# KiCad board panel_32x32_1515_r0.1.kicad_pcb (continued)
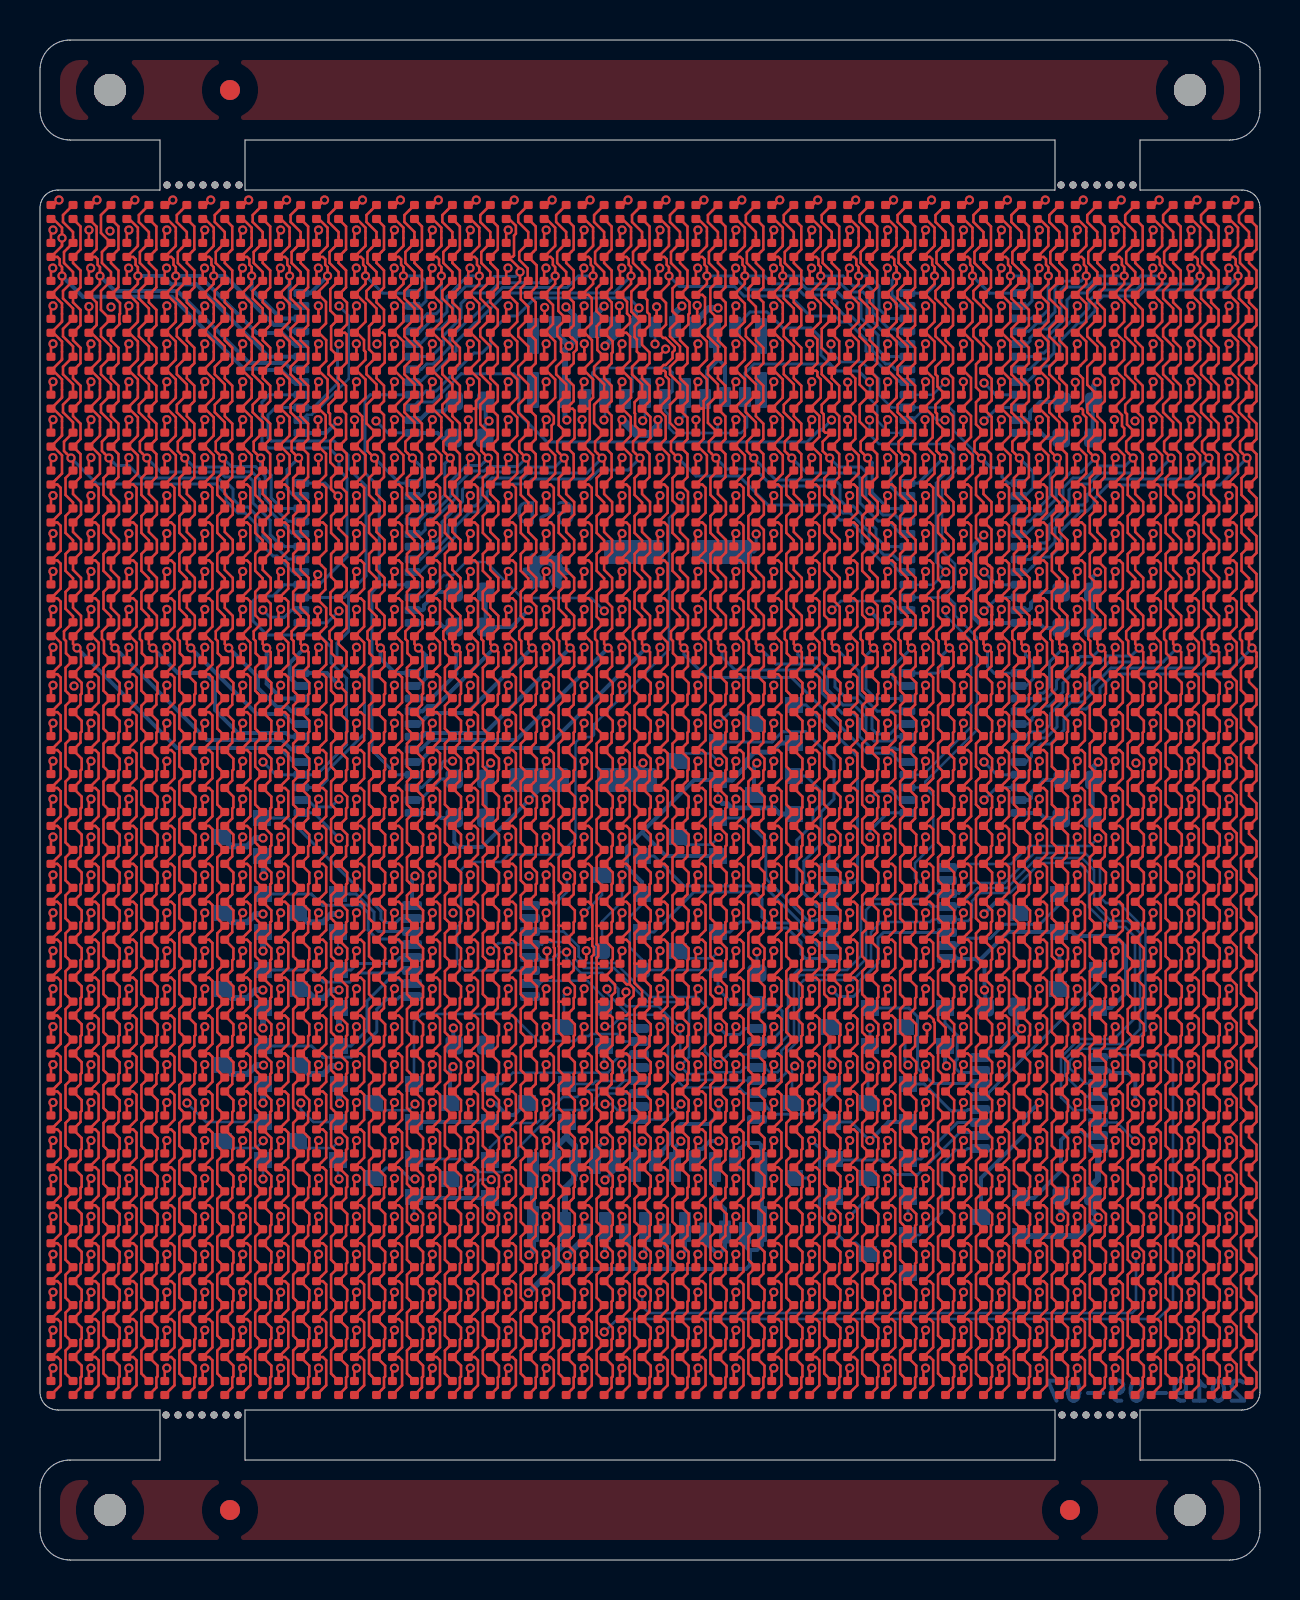
[diagram p0: board, top side]
## Routing (per net, layer and track width the routed paths; a pad name or vN(x,y) marks a point on that pad's centre or on a via; arc(x,y) is an arc through that point) (continued)
COL_GA31: length 83.1
  Top w0.127: D32.3 60.83,66.68 60.83,65.53 D64.3 60.45,64.85 60.83,64.48 60.83,63.63 D96.3 60.45,62.88 60.83,62.51 60.83,61.73 D128.3 60.45,60.99 60.83,60.61 60.83,59.84 D160.3 60.45,59.09 60.83,58.71 60.83,57.94 D192.3 60.45,57.19 60.83,56.82 60.83,56.04 D224.3 60.83,55.3 60.83,54.15 D256.3 60.45,53.47 60.83,53.1 60.83,52.25 D288.3 60.45,51.57 60.83,51.2 60.83,50.35 D320.3 60.45,49.68 60.83,49.3 60.83,48.46 D352.3 60.45,47.78 60.83,47.41 60.83,46.56 D384.3 60.45,45.75 v1(60.6,45.6) 60.83,45.37 60.83,45.18 60.83,45.18 60.83,44.66 D416.3 60.45,43.9 60.83,43.53 60.83,42.77 D448.3 60.45,42 60.83,41.63 60.83,40.87 D480.3 60.45,40.11 60.83,39.73 60.83,38.97 D512.3 60.45,38.21 60.83,37.84 60.83,37.08 D544.3 60.45,36.31 60.83,35.94 60.83,35.18 D576.3 60.45,34.42 60.83,34.04 60.83,33.28 D608.3 60.45,32.52 60.83,32.15 60.83,31.39 D640.3 60.45,30.62 60.83,30.25 60.83,29.49 D672.3 60.45,28.73 60.83,28.35 60.83,27.59 D704.3 60.45,26.83 60.83,26.46 60.83,25.7 D736.3 60.45,24.93 60.83,24.56 60.83,23.8 D768.3 60.45,23.04 60.83,22.66 60.83,21.9 D800.3 60.45,21.14 60.83,20.77 60.83,20.01 D832.3 60.45,19.24 60.83,18.87 60.83,18.11 D864.3 60.45,17.35 60.83,16.97 60.83,16.21 D896.3 60.45,15.45 60.83,15.08 60.83,14.32 D928.3 60.45,13.55 60.83,13.18 60.83,12.42 D960.3 60.45,11.66 60.83,11.28 60.83,10.52 D992.3 60.45,9.76 60.83,9.39 60.83,8.63 D1024.3
  Bottom w0.15: v1(60.6,45.6) 59.3,44.3 53.7,44.3 53,43.6 53,43.25 52.3,42.55 51.7,42.55 51.2,42.05 51.2,41.5 50.5,40.8 50.05,40.8 49.57,40.33 49.57,40.17 49.3,39.9 U6.20
COL_RA0: length 83.6
  Top w0.127: D993.2 1.28,9.32 1.28,10.47 D961.2 1.28,11.22 1.28,12.37 D929.2 1.28,13.12 1.28,14.27 D897.2 1.28,15.01 1.28,16.16 D865.2 1.28,16.91 1.28,18.06 D833.2 1.28,18.81 1.28,19.96 D801.2 1.28,20.7 1.28,21.85 D769.2 1.28,22.6 1.28,23.75 D737.2 1.28,24.5 1.28,25.65 D705.2 1.28,26.39 1.28,27.54 D673.2 1.28,28.29 1.28,29.44 D641.2 1.28,30.19 1.28,31.34 D609.2 1.28,32.08 1.28,33.23 D577.2 1.28,33.98 1.28,35.13 D545.2 1.28,35.88 1.28,37.03 D513.2 1.28,37.77 1.28,38.92 D481.2 1.28,39.67 1.28,40.82 D449.2 1.28,41.57 1.28,42.72 D417.2 1.28,43.46 1.28,44.61 D385.2 1.3,45.34 1.3,45.95 1.2,46.05 1.2,46.43 D353.2 1.65,47.19 1.28,47.56 1.28,48.41 D321.2 1.65,49.08 1.28,49.46 1.28,50.3 D289.2 1.65,50.98 1.28,51.35 1.28,52.2 D257.2 1.65,52.88 1.28,53.25 1.28,54.1 D225.2 1.65,55 v1(1.55,55.1) 1.2,55.45 1.2,55.92 D193.2 1.65,56.89 1.15,57.39 1.15,57.76 D161.2 1.65,58.78 1.15,59.28 1.15,59.66 D129.2 1.65,60.68 1.15,61.18 1.15,61.56 D97.2 1.65,62.58 1.15,63.08 1.15,63.45 D65.2 1.65,64.4 1.2,64.85 1.2,65.4 D33.2 1.65,66.15 1.65,66.16 1.65,66.4 1.15,66.9 1.15,67.25 D1.2
  Bottom w0.15: U7.5 13.07,49.4 12.65,49.4 11.85,50.2 11.65,50.2 10.85,51 10.85,51.75 10.25,52.35 9.9,52.35 9.3,52.95 9.3,53.3 8.8,53.8 2.85,53.8 v1(1.55,55.1)
COL_RA1: length 81.6
  Top w0.127: D994.2 3.17,9.32 3.17,10.47 D962.2 3.17,11.22 3.17,12.37 D930.2 3.17,13.12 3.17,14.27 D898.2 3.17,15.01 3.17,16.16 D866.2 3.17,16.91 3.17,18.06 D834.2 3.17,18.81 3.17,19.96 D802.2 3.17,20.7 3.17,21.85 D770.2 3.17,22.6 3.17,23.75 D738.2 3.17,24.5 3.17,25.65 D706.2 3.17,26.39 3.17,27.54 D674.2 3.17,28.29 3.17,29.44 D642.2 3.17,30.19 3.17,31.34 D610.2 3.17,32.08 3.17,33.23 D578.2 3.17,33.98 3.17,35.13 D546.2 3.17,35.88 3.17,37.03 D514.2 3.17,37.77 3.17,38.92 D482.2 3.17,39.67 3.17,40.82 D450.2 3.17,41.57 3.17,42.72 D418.2 3.17,43.46 3.17,44.61 D386.2 3.2,45.34 3.2,45.95 3.1,46.05 3.1,46.43 D354.2 3.55,47.19 3.17,47.56 3.17,48.41 D322.2 3.55,49.08 3.17,49.46 3.17,50.3 D290.2 3.55,50.98 3.17,51.35 3.17,52.2 D258.2 3.55,52.88 3.17,53.25 3.17,54.1 D226.2 3.55,55 v1(3.45,55.1) 3.1,55.45 3.1,55.92 D194.2 3.55,56.89 3.05,57.39 3.05,57.76 D162.2 3.55,58.78 3.05,59.28 3.05,59.66 D130.2 3.55,60.68 3.05,61.18 3.05,61.56 D98.2 3.49,62.06 3.05,62.5 3.05,63.45 D66.2 3.55,64.4 3.1,64.85 3.1,65.4 D34.2 3.05,66.35 3.05,67.25 D2.2
  Bottom w0.15: U7.6 13.05,50.05 12.4,50.05 11.9,50.55 11.8,50.55 11.15,51.2 11.15,51.9 10.4,52.65 10.05,52.65 9.65,53.05 9.65,53.55 9.35,53.85 9.15,53.85 8.9,54.1 5.05,54.1 4.42,54.73 3.82,54.73 v1(3.45,55.1)
COL_RA2: length 79.8
  Top w0.127: D3.2 4.94,67.25 4.94,66.9 5.44,66.4 5.44,66.16 5.44,66.15 D35.2 4.99,65.4 4.99,64.85 5.44,64.4 D67.2 4.94,63.45 4.94,63.08 5.44,62.58 D99.2 4.94,61.56 4.94,61.18 5.44,60.68 D131.2 4.94,59.66 4.94,59.28 5.44,58.78 D163.2 4.94,57.76 4.94,57.39 5.44,56.89 D195.2 4.99,55.92 4.99,55.45 v1(5.34,55.1) 5.44,55 D227.2 5.07,54.1 5.07,53.25 5.44,52.88 D259.2 5.07,52.2 5.07,51.35 5.44,50.98 D291.2 5.07,50.3 5.07,49.46 5.44,49.08 D323.2 5.07,48.41 5.07,47.56 5.44,47.19 D355.2 4.99,46.43 4.99,46.05 5.09,45.95 5.09,45.34 D387.2 5.07,44.61 5.07,43.46 D419.2 5.07,42.72 5.07,41.57 D451.2 5.07,40.82 5.07,39.67 D483.2 5.07,38.92 5.07,37.77 D515.2 5.07,37.03 5.07,35.88 D547.2 5.07,35.13 5.07,33.98 D579.2 5.07,33.23 5.07,32.08 D611.2 5.07,31.34 5.07,30.19 D643.2 5.07,29.44 5.07,28.29 D675.2 5.07,27.54 5.07,26.39 D707.2 5.07,25.65 5.07,24.5 D739.2 5.07,23.75 5.07,22.6 D771.2 5.07,21.85 5.07,20.7 D803.2 5.07,19.96 5.07,18.81 D835.2 5.07,18.06 5.07,16.91 D867.2 5.07,16.16 5.07,15.01 D899.2 5.07,14.27 5.07,13.12 D931.2 5.07,12.37 5.07,11.22 D963.2 5.07,10.47 5.07,9.32 D995.2
  Bottom w0.15: v1(5.34,55.1) 6.04,54.4 9,54.4 9.25,54.15 10.45,54.15 10.65,53.95 10.65,52.85 11.51,51.99 11.51,51.26 11.92,50.85 12.05,50.85 12.23,50.67 U7.7
COL_RA3: length 77.1
  Top w0.127: D4.2 6.84,67.25 6.84,66.9 7.34,66.4 7.34,66.16 7.34,66.15 D36.2 6.89,65.4 6.89,64.85 7.34,64.4 D68.2 6.84,63.45 6.84,63.08 7.34,62.58 D100.2 6.84,61.56 6.84,61.18 7.34,60.68 D132.2 6.84,59.66 6.84,59.28 7.34,58.78 D164.2 6.84,57.76 6.84,57.39 7.34,56.89 D196.2 6.89,55.92 6.89,55.45 v1(7.24,55.1) 7.34,55 D228.2 6.97,54.1 6.97,53.25 7.34,52.88 D260.2 6.97,52.2 6.97,51.35 7.34,50.98 D292.2 6.97,50.3 6.97,49.46 7.34,49.08 D324.2 6.97,48.41 6.97,47.56 7.34,47.19 D356.2 6.89,46.43 6.89,46.05 6.99,45.95 6.99,45.34 D388.2 6.97,44.61 6.97,43.46 D420.2 6.97,42.72 6.97,41.57 D452.2 6.97,40.82 6.97,39.67 D484.2 6.97,38.92 6.97,37.77 D516.2 6.97,37.03 6.97,35.88 D548.2 6.97,35.13 6.97,33.98 D580.2 6.97,33.23 6.97,32.08 D612.2 6.97,31.34 6.97,30.19 D644.2 6.97,29.44 6.97,28.29 D676.2 6.97,27.54 6.97,26.39 D708.2 6.97,25.65 6.97,24.5 D740.2 6.97,23.75 6.97,22.6 D772.2 6.97,21.85 6.97,20.7 D804.2 6.97,19.96 6.97,18.81 D836.2 6.97,18.06 6.97,16.91 D868.2 6.97,16.16 6.97,15.01 D900.2 6.97,14.27 6.97,13.12 D932.2 6.97,12.37 6.97,11.22 D964.2 6.97,10.47 6.97,9.32 D996.2
  Bottom w0.15: v1(7.24,55.1) 7.69,54.65 9.15,54.65 9.39,54.41 10.59,54.41 10.97,54.03 10.97,52.97 12.59,51.35 13.02,51.35 U7.8
COL_RA4: length 75
  Top w0.127: D5.2 8.74,67.25 8.74,66.9 9.24,66.4 9.24,66.16 9.24,66.15 D37.2 8.79,65.4 8.79,64.85 9.24,64.4 D69.2 8.74,63.45 8.74,63.08 9.24,62.58 D101.2 8.74,61.56 8.74,61.18 9.24,60.68 D133.2 8.74,59.66 8.74,59.28 9.24,58.78 D165.2 8.74,57.76 8.74,57.39 9.24,56.89 D197.2 8.79,55.92 8.79,55.45 v1(9.14,55.1) 9.24,55 D229.2 8.86,54.1 8.86,53.25 9.24,52.88 D261.2 8.86,52.2 8.86,51.35 9.24,50.98 D293.2 8.86,50.3 8.86,49.46 9.24,49.08 D325.2 8.86,48.41 8.86,47.56 9.24,47.19 D357.2 8.79,46.43 8.79,46.05 8.89,45.95 8.89,45.34 D389.2 8.86,44.61 8.86,43.46 D421.2 8.86,42.72 8.86,41.57 D453.2 8.86,40.82 8.86,39.67 D485.2 8.86,38.92 8.86,37.77 D517.2 8.86,37.03 8.86,35.88 D549.2 8.86,35.13 8.86,33.98 D581.2 8.86,33.23 8.86,32.08 D613.2 8.86,31.34 8.86,30.19 D645.2 8.86,29.44 8.86,28.29 D677.2 8.86,27.54 8.86,26.39 D709.2 8.86,25.65 8.86,24.5 D741.2 8.86,23.75 8.86,22.6 D773.2 8.86,21.85 8.86,20.7 D805.2 8.86,19.96 8.86,18.81 D837.2 8.86,18.06 8.86,16.91 D869.2 8.86,16.16 8.86,15.01 D901.2 8.86,14.27 8.86,13.12 D933.2 8.86,12.37 8.86,11.22 D965.2 8.86,10.47 8.86,9.32 D997.2
  Bottom w0.15: U7.9 12.39,51.94 11.26,53.06 11.26,54.19 10.78,54.67 9.57,54.67 v1(9.14,55.1)
COL_RA5: length 73.1
  Top w0.127: D6.2 10.63,67.25 10.63,66.9 11.13,66.4 11.13,66.16 11.14,66.15 D38.2 10.68,65.4 10.68,64.85 11.14,64.4 D70.2 10.63,63.45 10.63,63.08 11.14,62.58 D102.2 10.63,61.56 10.63,61.18 11.14,60.68 D134.2 10.63,59.66 10.63,59.28 11.14,58.78 D166.2 10.63,57.76 10.63,57.39 11.14,56.89 D198.2 10.68,55.92 10.68,55.45 v1(11.03,55.1) 11.14,55 D230.2 10.76,54.1 10.76,53.25 11.14,52.88 D262.2 10.76,52.2 10.76,51.35 11.14,50.98 D294.2 10.76,50.3 10.76,49.46 11.14,49.08 D326.2 10.76,48.41 10.76,47.24 11.12,46.88 D358.2 10.68,46.43 10.68,46.05 10.78,45.95 10.78,45.34 D390.2 10.76,44.61 10.76,43.46 D422.2 10.76,42.72 10.76,41.57 D454.2 10.76,40.82 10.76,39.67 D486.2 10.76,38.92 10.76,37.77 D518.2 10.76,37.03 10.76,35.88 D550.2 10.76,35.13 10.76,33.98 D582.2 10.76,33.23 10.76,32.08 D614.2 10.76,31.34 10.76,30.19 D646.2 10.76,29.44 10.76,28.29 D678.2 10.76,27.54 10.76,26.39 D710.2 10.76,25.65 10.76,24.5 D742.2 10.76,23.75 10.76,22.6 D774.2 10.76,21.85 10.76,20.7 D806.2 10.76,19.96 10.76,18.81 D838.2 10.76,18.06 10.76,16.91 D870.2 10.76,16.16 10.76,15.01 D902.2 10.76,14.27 10.76,13.12 D934.2 10.76,12.37 10.76,11.22 D966.2 10.76,10.47 10.76,9.32 D998.2
  Bottom w0.15: U7.10 12.1,52.57 11.56,53.11 11.56,54.25 11.03,54.77 v1(11.03,55.1)
COL_RA6: length 71.8
  Top w0.127: D7.2 12.53,67.25 12.53,66.9 13.03,66.4 13.03,66.16 13.03,66.15 D39.2 12.58,65.4 12.58,64.85 13.03,64.4 D71.2 12.53,63.45 12.53,63.08 13.03,62.58 D103.2 12.53,61.56 12.53,61.18 13.03,60.68 D135.2 12.53,59.66 12.53,59.28 13.03,58.78 D167.2 12.53,57.76 12.53,57.39 13.03,56.89 D199.2 12.58,55.92 12.58,55.45 v1(12.93,55.1) 13.03,55 D231.2 12.66,54.1 12.66,53.25 13.03,52.88 D263.2 12.66,52.2 12.66,51.35 13.03,50.98 D295.2 12.66,50.3 12.66,49.46 13.03,49.08 D327.2 12.66,48.41 12.66,47.56 13.03,47.19 D359.2 12.58,46.43 12.58,46.05 12.68,45.95 12.68,45.34 D391.2 12.66,44.61 12.66,43.46 D423.2 12.66,42.72 12.66,41.57 D455.2 12.66,40.82 12.66,39.67 D487.2 12.66,38.92 12.66,37.77 D519.2 12.66,37.03 12.66,35.88 D551.2 12.66,35.13 12.66,33.98 D583.2 12.66,33.23 12.66,32.08 D615.2 12.66,31.34 12.66,30.19 D647.2 12.66,29.44 12.66,28.29 D679.2 12.66,27.54 12.66,26.39 D711.2 12.66,25.65 12.66,24.5 D743.2 12.66,23.75 12.66,22.6 D775.2 12.66,21.85 12.66,20.7 D807.2 12.66,19.96 12.66,18.81 D839.2 12.66,18.06 12.66,16.91 D871.2 12.66,16.16 12.66,15.01 D903.2 12.66,14.27 12.66,13.12 D935.2 12.66,12.37 12.66,11.22 D967.2 12.66,10.47 12.66,9.32 D999.2
  Bottom w0.15: U7.11 13.03,53.25 12.65,53.25 12.35,53.55 12.35,54.52 v1(12.93,55.1)
COL_RA7: length 70.9
  Top w0.127: D8.2 14.43,67.25 14.43,66.9 14.93,66.4 14.93,66.16 14.93,66.15 D40.2 14.48,65.4 14.48,64.85 14.93,64.4 D72.2 14.52,63.54 14.52,62.47 D104.2 14.55,61.68 14.55,60.54 D136.2 14.43,59.66 14.43,59.28 14.93,58.78 D168.2 14.43,57.76 14.43,57.39 14.5,57.31 14.5,56.8 D200.2 14.52,55.96 14.52,54.88 D232.2 ; D1000.2 14.55,9.32 14.55,10.47 D968.2 14.55,11.22 14.55,12.37 D936.2 14.55,13.12 14.55,14.27 D904.2 14.55,15.01 14.55,16.16 D872.2 14.55,16.91 14.55,18.06 D840.2 14.55,18.81 14.55,19.96 D808.2 14.55,20.7 14.55,21.85 D776.2 14.55,22.6 14.55,23.75 D744.2 14.55,24.5 14.55,25.65 D712.2 14.55,26.39 14.55,27.54 D680.2 14.55,28.29 14.55,29.44 D648.2 14.55,30.19 14.55,31.34 D616.2 14.55,32.08 14.55,33.23 D584.2 14.55,33.98 14.55,35.13 D552.2 14.55,35.88 14.55,37.03 D520.2 14.55,37.77 14.55,38.92 D488.2 14.55,39.67 14.55,40.82 D456.2 14.55,41.57 14.55,42.72 D424.2 14.55,43.46 14.55,44.61 D392.2 14.58,45.34 14.58,45.95 14.48,46.05 14.48,46.43 D360.2 14.53,47.29 14.53,48.38 D328.2 14.55,49.15 14.55,50.3 D296.2 14.93,50.98 14.55,51.35 14.55,52.2 D264.2 14.93,53.17 v1(14.9,53.2) 14.55,53.55 14.55,54.1 14.83,54.37
  Bottom w0.15: v1(14.9,53.2) 14.26,53.84 U7.12
COL_RA8: length 71.5
  Top w0.127: D9.2 16.32,67.25 16.32,66.9 16.82,66.4 16.82,66.16 16.83,66.15 D41.2 16.37,65.4 16.37,64.85 16.83,64.4 D73.2 16.32,63.45 16.32,63.08 16.83,62.58 D105.2 16.45,61.68 16.45,60.54 D137.2 16.32,59.66 16.32,59.28 16.83,58.78 D169.2 16.32,57.76 16.32,56.83 16.78,56.37 D201.2 16.37,55.92 16.37,55.45 v1(16.72,55.1) 16.83,55 D233.2 16.45,54.1 16.45,53.25 16.83,52.88 D265.2 16.45,52.2 16.45,51.35 16.83,50.98 D297.2 16.45,50.3 16.45,49.46 16.83,49.08 D329.2 16.45,48.41 16.45,47.56 16.83,47.19 D361.2 16.37,46.43 16.37,46.05 16.47,45.95 16.47,45.34 D393.2 16.45,44.61 16.45,43.46 D425.2 16.45,42.72 16.45,41.57 D457.2 16.45,40.82 16.45,39.67 D489.2 16.45,38.92 16.45,37.77 D521.2 16.45,37.03 16.45,35.88 D553.2 16.45,35.13 16.45,33.98 D585.2 16.45,33.23 16.45,32.08 D617.2 16.45,31.34 16.45,30.19 D649.2 16.45,29.44 16.45,28.29 D681.2 16.45,27.54 16.45,26.39 D713.2 16.45,25.65 16.45,24.5 D745.2 16.45,23.75 16.45,22.6 D777.2 16.45,21.85 16.45,20.7 D809.2 16.45,19.96 16.45,18.81 D841.2 16.45,18.06 16.45,16.91 D873.2 16.45,16.16 16.45,15.01 D905.2 16.45,14.27 16.45,13.12 D937.2 16.45,12.37 16.45,11.22 D969.2 16.45,10.47 16.45,9.32 D1001.2
  Bottom w0.15: v1(16.72,55.1) 17.98,53.84 U7.13
COL_RA9: length 71.8
  Top w0.127: D10.2 18.22,67.25 18.22,66.9 18.72,66.4 18.72,66.16 18.72,66.15 D42.2 18.27,65.4 18.27,64.85 18.72,64.4 D74.2 18.22,63.45 18.22,63.08 18.72,62.58 D106.2 18.22,61.56 18.22,61.18 18.72,60.68 D138.2 18.22,59.66 18.22,59.28 18.72,58.78 D170.2 18.22,57.76 18.22,57.39 18.72,56.89 D202.2 18.27,55.92 18.27,55.45 v1(18.62,55.1) 18.72,55 D234.2 18.35,54.1 18.35,53.25 18.72,52.88 D266.2 18.35,52.2 18.35,51.35 18.72,50.98 D298.2 18.35,50.3 18.35,49.46 18.72,49.08 D330.2 18.35,48.41 18.35,47.56 18.72,47.19 D362.2 18.27,46.43 18.27,46.05 18.37,45.95 18.37,45.34 D394.2 18.35,44.61 18.35,43.46 D426.2 18.35,42.72 18.35,41.57 D458.2 18.35,40.82 18.35,39.67 D490.2 18.35,38.92 18.35,37.77 D522.2 18.35,37.03 18.35,35.88 D554.2 18.35,35.13 18.35,33.98 D586.2 18.35,33.23 18.35,32.08 D618.2 18.35,31.34 18.35,30.19 D650.2 18.35,29.44 18.35,28.29 D682.2 18.35,27.54 18.35,26.39 D714.2 18.35,25.65 18.35,24.5 D746.2 18.35,23.75 18.35,22.6 D778.2 18.35,21.85 18.35,20.7 D810.2 18.35,19.96 18.35,18.81 D842.2 18.35,18.06 18.35,16.91 D874.2 18.35,16.16 18.35,15.01 D906.2 18.35,14.27 18.35,13.12 D938.2 18.35,12.37 18.35,11.22 D970.2 18.35,10.47 18.35,9.32 D1002.2
  Bottom w0.15: v1(18.62,55.1) 19.22,54.5 19.22,53.37 19.06,53.21 U7.14
COL_RA10: length 73
  Top w0.127: D11.2 20.12,67.25 20.12,66.9 20.62,66.4 20.62,66.16 20.62,66.15 D43.2 20.17,65.4 20.17,64.85 20.62,64.4 D75.2 20.12,63.45 20.12,63.08 20.62,62.58 D107.2 20.12,61.56 20.12,61.18 20.62,60.68 D139.2 20.12,59.66 20.12,59.28 20.62,58.78 D171.2 20.12,57.76 20.12,57.39 20.62,56.89 D203.2 20.17,55.92 20.17,55.45 v1(20.52,55.1) 20.62,55 D235.2 20.25,54.1 20.25,53.25 20.62,52.88 D267.2 20.25,52.2 20.25,51.35 20.62,50.98 D299.2 20.25,50.3 20.25,49.46 20.62,49.08 D331.2 20.25,48.41 20.25,47.56 20.62,47.19 D363.2 20.17,46.43 20.17,46.05 20.27,45.95 20.27,45.34 D395.2 20.25,44.61 20.25,43.46 D427.2 20.25,42.72 20.25,41.57 D459.2 20.25,40.82 20.25,39.67 D491.2 20.25,38.92 20.25,37.77 D523.2 20.25,37.03 20.25,35.88 D555.2 20.25,35.13 20.25,33.98 D587.2 20.25,33.23 20.25,32.08 D619.2 20.25,31.34 20.25,30.19 D651.2 20.25,29.44 20.25,28.29 D683.2 20.25,27.54 20.25,26.39 D715.2 20.25,25.65 20.25,24.5 D747.2 20.25,23.75 20.25,22.6 D779.2 20.25,21.85 20.25,20.7 D811.2 20.25,19.96 20.25,18.81 D843.2 20.25,18.06 20.25,16.91 D875.2 20.25,16.16 20.25,15.01 D907.2 20.25,14.27 20.25,13.12 D939.2 20.25,12.37 20.25,11.22 D971.2 20.25,10.47 20.25,9.32 D1003.2
  Bottom w0.15: U7.15 19.13,52.57 19.31,52.75 19.73,52.75 20.24,53.26 20.24,54.82 v1(20.52,55.1)
COL_RA11: length 74.7
  Top w0.127: D1004.2 22.14,9.32 22.14,10.47 D972.2 22.14,11.22 22.14,12.37 D940.2 22.14,13.12 22.14,14.27 D908.2 22.14,15.01 22.14,16.16 D876.2 22.14,16.91 22.14,18.06 D844.2 22.14,18.81 22.14,19.96 D812.2 22.14,20.7 22.14,21.85 D780.2 22.14,22.6 22.14,23.75 D748.2 22.14,24.5 22.14,25.65 D716.2 22.14,26.39 22.14,27.54 D684.2 22.14,28.29 22.14,29.44 D652.2 22.14,30.19 22.14,31.34 D620.2 22.14,32.08 22.14,33.23 D588.2 22.14,33.98 22.14,35.13 D556.2 22.14,35.88 22.14,37.03 D524.2 22.14,37.77 22.14,38.92 D492.2 22.14,39.67 22.14,40.82 D460.2 22.14,41.57 22.14,42.72 D428.2 22.14,43.46 22.14,44.61 D396.2 22.16,45.34 22.16,45.95 22.06,46.05 22.06,46.43 D364.2 22.52,47.19 22.14,47.56 22.14,48.41 D332.2 22.52,49.08 22.14,49.46 22.14,50.3 D300.2 22.52,50.98 22.14,51.35 22.14,52.2 D268.2 22.52,52.88 22.14,53.25 22.14,54.1 D236.2 22.52,55 v1(22.41,55.1) 22.06,55.45 22.06,55.92 D204.2 22.43,56.37 22.01,56.79 22.01,57.76 D172.2 22.52,58.78 22.01,59.28 22.01,59.66 D140.2 22.52,60.68 22.01,61.18 22.01,61.56 D108.2 22.52,62.58 22.01,63.08 22.01,63.45 D76.2 22.52,64.4 22.06,64.85 22.06,65.4 D44.2 22.52,66.15 22.51,66.16 22.51,66.4 22.01,66.9 22.01,67.25 D12.2
  Bottom w0.15: U7.16 18.64,51.95 18.95,51.95 19.4,52.4 19.75,52.4 20.55,53.2 20.55,53.95 21.33,54.73 22.04,54.73 v1(22.41,55.1)
COL_RA12: length 76.8
  Top w0.127: D1005.2 24.04,9.32 24.04,10.47 D973.2 24.04,11.22 24.04,12.37 D941.2 24.04,13.12 24.04,14.27 D909.2 24.04,15.01 24.04,16.16 D877.2 24.04,16.91 24.04,18.06 D845.2 24.04,18.81 24.04,19.96 D813.2 24.04,20.7 24.04,21.85 D781.2 24.04,22.6 24.04,23.75 D749.2 24.04,24.5 24.04,25.65 D717.2 24.04,26.39 24.04,27.54 D685.2 24.04,28.29 24.04,29.44 D653.2 24.04,30.19 24.04,31.34 D621.2 24.04,32.08 24.04,33.23 D589.2 24.04,33.98 24.04,35.13 D557.2 24.04,35.88 24.04,37.03 D525.2 24.04,37.77 24.04,38.92 D493.2 24.04,39.67 24.04,40.82 D461.2 24.04,41.57 24.04,42.72 D429.2 24.04,43.46 24.04,44.61 D397.2 24.06,45.34 24.06,45.95 23.96,46.05 23.96,46.43 D365.2 24.37,46.88 24.04,47.21 24.04,48.41 D333.2 24.41,49.08 24.04,49.46 24.04,50.3 D301.2 24.41,50.98 24.04,51.35 24.04,52.2 D269.2 24.41,52.88 24.04,53.25 24.04,54.1 D237.2 24.41,55 v1(24.31,55.1) 23.96,55.45 23.96,55.92 D205.2 24.41,56.89 23.91,57.39 23.91,57.76 D173.2 24.41,58.78 23.91,59.28 23.91,59.66 D141.2 24.41,60.68 23.91,61.18 23.91,61.56 D109.2 24.41,62.66 24.04,63.04 24.04,63.58 D77.2 ; 24.38,63.93 24.38,64.58 23.96,65 23.96,65.4 24.41,65.85 24.41,66.4 23.91,66.9 23.91,67.25 D13.2
  Bottom w0.15: U7.17 19.05,51.3 19.26,51.51 19.26,51.81 19.53,52.08 19.77,52.08 20.85,53.16 20.85,53.75 21.55,54.45 22.2,54.45 22.42,54.67 23.88,54.67 v1(24.31,55.1)
COL_RA13: length 79.3
  Top w0.127: D14.2 25.81,67.25 25.81,66.9 26.31,66.4 26.31,66.16 26.31,66.15 D46.2 25.86,65.4 25.86,64.85 26.31,64.4 D78.2 25.92,63.56 25.92,62.45 D110.2 25.87,61.62 25.87,61.21 26.05,61.03 26.05,60.42 D142.2 25.81,59.66 25.81,59.28 26.31,58.78 D174.2 25.94,57.89 25.94,56.74 D206.2 25.86,55.92 25.86,55.45 v1(26.21,55.1) 26.31,55 D238.2 25.94,54.1 25.94,53.25 26.31,52.88 D270.2 25.94,52.2 25.94,51.35 26.31,50.98 D302.2 25.94,50.3 25.94,49.46 26.31,49.08 D334.2 25.94,48.41 25.94,47.56 26.31,47.19 D366.2 25.86,46.43 25.86,46.05 25.96,45.95 25.96,45.34 D398.2 25.94,44.61 25.94,43.46 D430.2 25.94,42.72 25.94,41.57 D462.2 25.94,40.82 25.94,39.67 D494.2 25.94,38.92 25.94,37.77 D526.2 25.94,37.03 25.94,35.88 D558.2 25.94,35.13 25.94,33.98 D590.2 25.94,33.23 25.94,31.74 ; D1006.2 25.94,9.32 25.94,10.47 D974.2 25.94,11.22 25.94,12.37 D942.2 25.94,13.12 25.94,14.27 D910.2 25.94,15.01 25.94,16.16 D878.2 25.94,16.91 25.94,18.06 D846.2 25.94,18.81 25.94,19.96 D814.2 25.94,20.7 25.94,21.85 D782.2 25.94,22.6 25.94,23.75 D750.2 25.94,24.5 25.94,25.65 D718.2 25.94,26.39 25.94,27.91 ; 25.94,27.91 25.94,29.76 ; 25.94,27.91 25.94,27.92 D686.2 ; 25.94,31.74 25.94,30.69 25.95,30.67 25.95,30.1 25.94,30.09 25.94,29.76 ; 25.94,31.74 25.96,31.71 D622.2 ; 25.94,29.76 25.98,29.81 D654.2
  Bottom w0.15: U7.18 19.13,50.67 19.39,50.93 19.81,50.93 20.1,51.23 20.1,51.9 21.12,52.92 21.12,53.52 21.75,54.15 22.3,54.15 22.55,54.4 24.05,54.4 24.3,54.65 25.76,54.65 v1(26.21,55.1)
COL_RA14: length 81.5
  Top w0.127: D15.2 27.7,67.25 27.7,66.9 28.2,66.4 28.2,66.16 28.21,66.15 D47.2 27.75,65.4 27.75,64.85 28.21,64.4 D79.2 27.82,63.57 27.82,62.44 D111.2 27.83,61.68 27.83,61.14 27.87,61.11 27.87,60.5 D143.2 27.7,59.66 27.7,59.28 28.21,58.78 D175.2 27.7,57.76 27.7,56.84 28.18,56.37 D207.2 27.75,55.92 27.75,55.45 v1(28.1,55.1) 28.21,55 D239.2 27.83,54.1 27.83,53.25 28.21,52.88 D271.2 27.83,52.2 27.83,51.35 28.21,50.98 D303.2 27.83,50.3 27.83,49.46 28.21,49.08 D335.2 27.83,48.41 27.83,47.17 28.12,46.88 D367.2 27.75,46.43 27.75,46.05 27.85,45.95 27.85,45.34 D399.2 27.83,44.61 27.83,43.46 D431.2 27.83,42.72 27.83,41.57 D463.2 27.83,40.82 27.83,39.67 D495.2 27.83,38.92 27.83,37.77 D527.2 27.83,37.03 27.83,35.88 D559.2 27.83,35.13 27.83,33.98 D591.2 27.83,33.23 27.83,31.72 ; 27.83,31.72 27.83,30.79 27.91,30.72 27.91,30.19 27.83,30.11 27.83,29.78 ; 27.83,31.72 27.84,31.71 D623.2 ; 27.83,27.88 27.83,26.39 D719.2 27.83,25.65 27.83,24.5 D751.2 27.83,23.75 27.83,22.6 D783.2 27.83,21.85 27.83,20.7 D815.2 27.83,19.96 27.83,18.81 D847.2 27.83,18.06 27.83,16.91 D879.2 27.83,16.16 27.83,15.01 D911.2 27.83,14.27 27.83,13.12 D943.2 27.83,12.37 27.83,11.22 D975.2 27.83,10.47 27.83,9.32 D1007.2 ; 27.83,27.88 27.85,27.88 27.88,27.92 D687.2 ; 27.83,27.88 27.83,29.78 ; 27.83,29.78 27.85,29.78 27.88,29.81 D655.2
  Bottom w0.15: U7.19 19.03,50.03 19.6,50.6 19.86,50.6 20.4,51.14 20.4,51.75 21.35,52.7 21.75,52.7 22.05,53 22.05,53.55 22.6,54.1 24.15,54.1 24.4,54.35 27.35,54.35 v1(28.1,55.1)
COL_RA15: length 83.5
  Top w0.127: D16.2 29.6,67.25 29.6,66.9 30.1,66.4 30.1,66.16 30.1,66.15 D48.2 29.65,65.4 29.65,64.85 30.1,64.4 D80.2 29.57,63.42 29.57,62.42 29.93,62.06 D112.2 29.73,61.68 29.73,61.14 29.84,61.03 29.84,60.42 D144.2 29.6,59.66 29.6,59.28 30.1,58.78 D176.2 29.73,57.89 29.73,57.35 29.75,57.32 29.75,56.72 D208.2 29.65,55.92 29.65,55.45 v1(30,55.1) 30.1,55 D240.2 29.73,54.1 29.73,53.25 30.1,52.88 D272.2 29.73,52.2 29.73,51.35 30.1,50.98 D304.2 29.73,50.3 29.73,49.46 30.1,49.08 D336.2 29.73,48.41 29.73,47.56 30.1,47.19 D368.2 29.65,46.43 29.65,46.05 29.75,45.95 29.75,45.34 D400.2 29.73,44.61 29.73,43.46 D432.2 29.73,42.72 29.73,41.57 D464.2 29.73,40.82 29.73,39.67 D496.2 29.73,38.92 29.73,37.77 D528.2 29.73,37.03 29.73,35.88 D560.2 29.73,35.13 29.73,33.98 D592.2 29.73,33.23 29.73,32.08 D624.2 29.73,31.34 29.73,29.83 ; 29.73,29.83 29.74,29.81 D656.2 ; 29.73,29.83 29.73,28.84 30.1,28.47 D688.2 29.73,27.54 29.73,26.39 D720.2 29.73,25.65 29.73,24.5 D752.2 29.73,23.75 29.73,22.6 D784.2 29.73,21.85 29.73,20.7 D816.2 29.73,19.96 29.73,18.81 D848.2 29.73,18.06 29.73,16.91 D880.2 29.73,16.16 29.73,15.01 D912.2 29.73,14.27 29.73,13.12 D944.2 29.73,12.37 29.73,11.22 D976.2 29.73,10.47 29.73,9.32 D1008.2
  Bottom w0.15: v1(30,55.1) 29.4,54.5 27.95,54.5 27.5,54.05 24.6,54.05 24.35,53.8 22.75,53.8 22.35,53.4 22.35,52.85 21.9,52.4 21.5,52.4 20.75,51.65 20.75,51.15 19,49.4 U7.20
COL_RA16: length 83.1
  Top w0.127: D17.2 31.5,67.25 31.5,66.9 32,66.4 32,66.16 32,66.15 D49.2 31.55,65.4 31.55,64.85 32,64.4 D81.2 31.63,63.58 31.63,62.43 D113.2 31.5,61.56 31.5,61.18 32,60.68 D145.2 31.5,59.66 31.5,59.28 32,58.78 D177.2 31.5,57.76 31.5,56.85 31.98,56.37 D209.2 31.55,55.92 31.55,55.45 v1(31.9,55.1) 32,55 D241.2 31.63,54.1 31.63,52.97 32,52.6 D273.2 31.63,52.2 31.63,51.35 32,50.98 D305.2 31.63,50.3 31.63,49.46 32,49.08 D337.2 31.63,48.41 31.63,47.56 32,47.19 D369.2 31.55,46.43 31.55,46.05 31.65,45.95 31.65,45.34 D401.2 31.63,44.61 31.63,43.46 D433.2 31.63,42.72 31.63,41.57 D465.2 31.63,40.82 31.63,39.67 D497.2 31.63,38.92 31.63,37.77 D529.2 31.63,37.03 31.63,35.88 D561.2 31.63,35.13 31.63,33.98 D593.2 31.63,33.23 31.63,32.08 D625.2 31.63,31.34 31.63,30.19 D657.2 31.63,29.44 31.63,28.29 D689.2 31.63,27.54 31.63,26.39 D721.2 31.63,25.65 31.63,24.5 D753.2 31.63,23.75 31.63,22.6 D785.2 31.63,21.85 31.63,20.7 D817.2 31.63,19.96 31.63,18.81 D849.2 31.63,18.06 31.63,16.91 D881.2 31.63,16.16 31.63,15.01 D913.2 31.63,14.27 31.63,13.12 D945.2 31.63,12.37 31.63,11.22 D977.2 31.63,10.47 31.63,9.32 D1009.2
  Bottom w0.15: v1(31.9,55.1) 32.8,54.2 34.95,54.2 36.4,52.75 39.25,52.75 40,52 40.45,52 41.1,51.35 41.1,50.91 42.11,49.9 42.49,49.9 42.72,49.67 42.73,49.67 43,49.4 U8.5
COL_RA17: length 81.3
  Top w0.127: D18.2 33.4,67.25 33.4,66.9 33.9,66.4 33.9,66.16 33.9,66.15 D50.2 33.45,65.4 33.45,64.85 33.9,64.4 D82.2 33.52,63.58 33.52,62.44 D114.2 33.4,61.56 33.4,61.18 33.9,60.68 D146.2 33.4,59.66 33.4,59.28 33.9,58.78 D178.2 33.4,57.76 33.4,56.85 33.88,56.37 D210.2 33.45,55.92 33.45,55.45 v1(33.8,55.1) 33.9,55 D242.2 33.52,54.1 33.52,53.25 33.9,52.88 D274.2 33.52,52.2 33.52,51.35 33.9,50.98 D306.2 33.52,50.3 33.52,49.46 33.9,49.08 D338.2 33.52,48.41 33.52,47.56 33.9,47.19 D370.2 33.45,46.43 33.45,46.05 33.55,45.95 33.55,45.34 D402.2 33.52,44.61 33.52,43.46 D434.2 33.52,42.72 33.52,41.57 D466.2 33.52,40.82 33.52,39.67 D498.2 33.52,38.92 33.52,37.77 D530.2 33.52,37.03 33.52,35.88 D562.2 33.52,35.13 33.52,33.98 D594.2 33.52,33.23 33.52,32.08 D626.2 33.52,31.34 33.52,30.19 D658.2 33.52,29.44 33.52,28.29 D690.2 33.52,27.54 33.52,26.39 D722.2 33.52,25.65 33.52,24.5 D754.2 33.52,23.75 33.52,22.6 D786.2 33.52,21.85 33.52,20.7 D818.2 33.52,19.96 33.52,18.81 D850.2 33.52,18.06 33.52,16.91 D882.2 33.52,16.16 33.52,15.01 D914.2 33.52,14.27 33.52,13.12 D946.2 33.52,12.37 33.52,11.22 D978.2 33.52,10.47 33.52,9.32 D1010.2
  Bottom w0.15: U8.6 42.87,50.03 42.65,50.25 42.2,50.25 41.45,51 41.45,51.4 40.5,52.35 40.15,52.35 39.65,52.85 39.65,53.55 39.5,53.7 36.6,53.7 35.75,54.55 34.35,54.55 v1(33.8,55.1)